# Altium PCB top_INA_v2.PcbDoc (part 3 of 4)
Units mil, origin at the board's own origin, x right, y up, seen from the top; angles counter-clockwise.
Board outline 13413.03 x 6200.01 mil, 2 copper layers (Top Layer, Bottom Layer); 582 components, 532 nets, 1562 pads, 336 vias.
Unrouted connection lines stored in the file: 144.
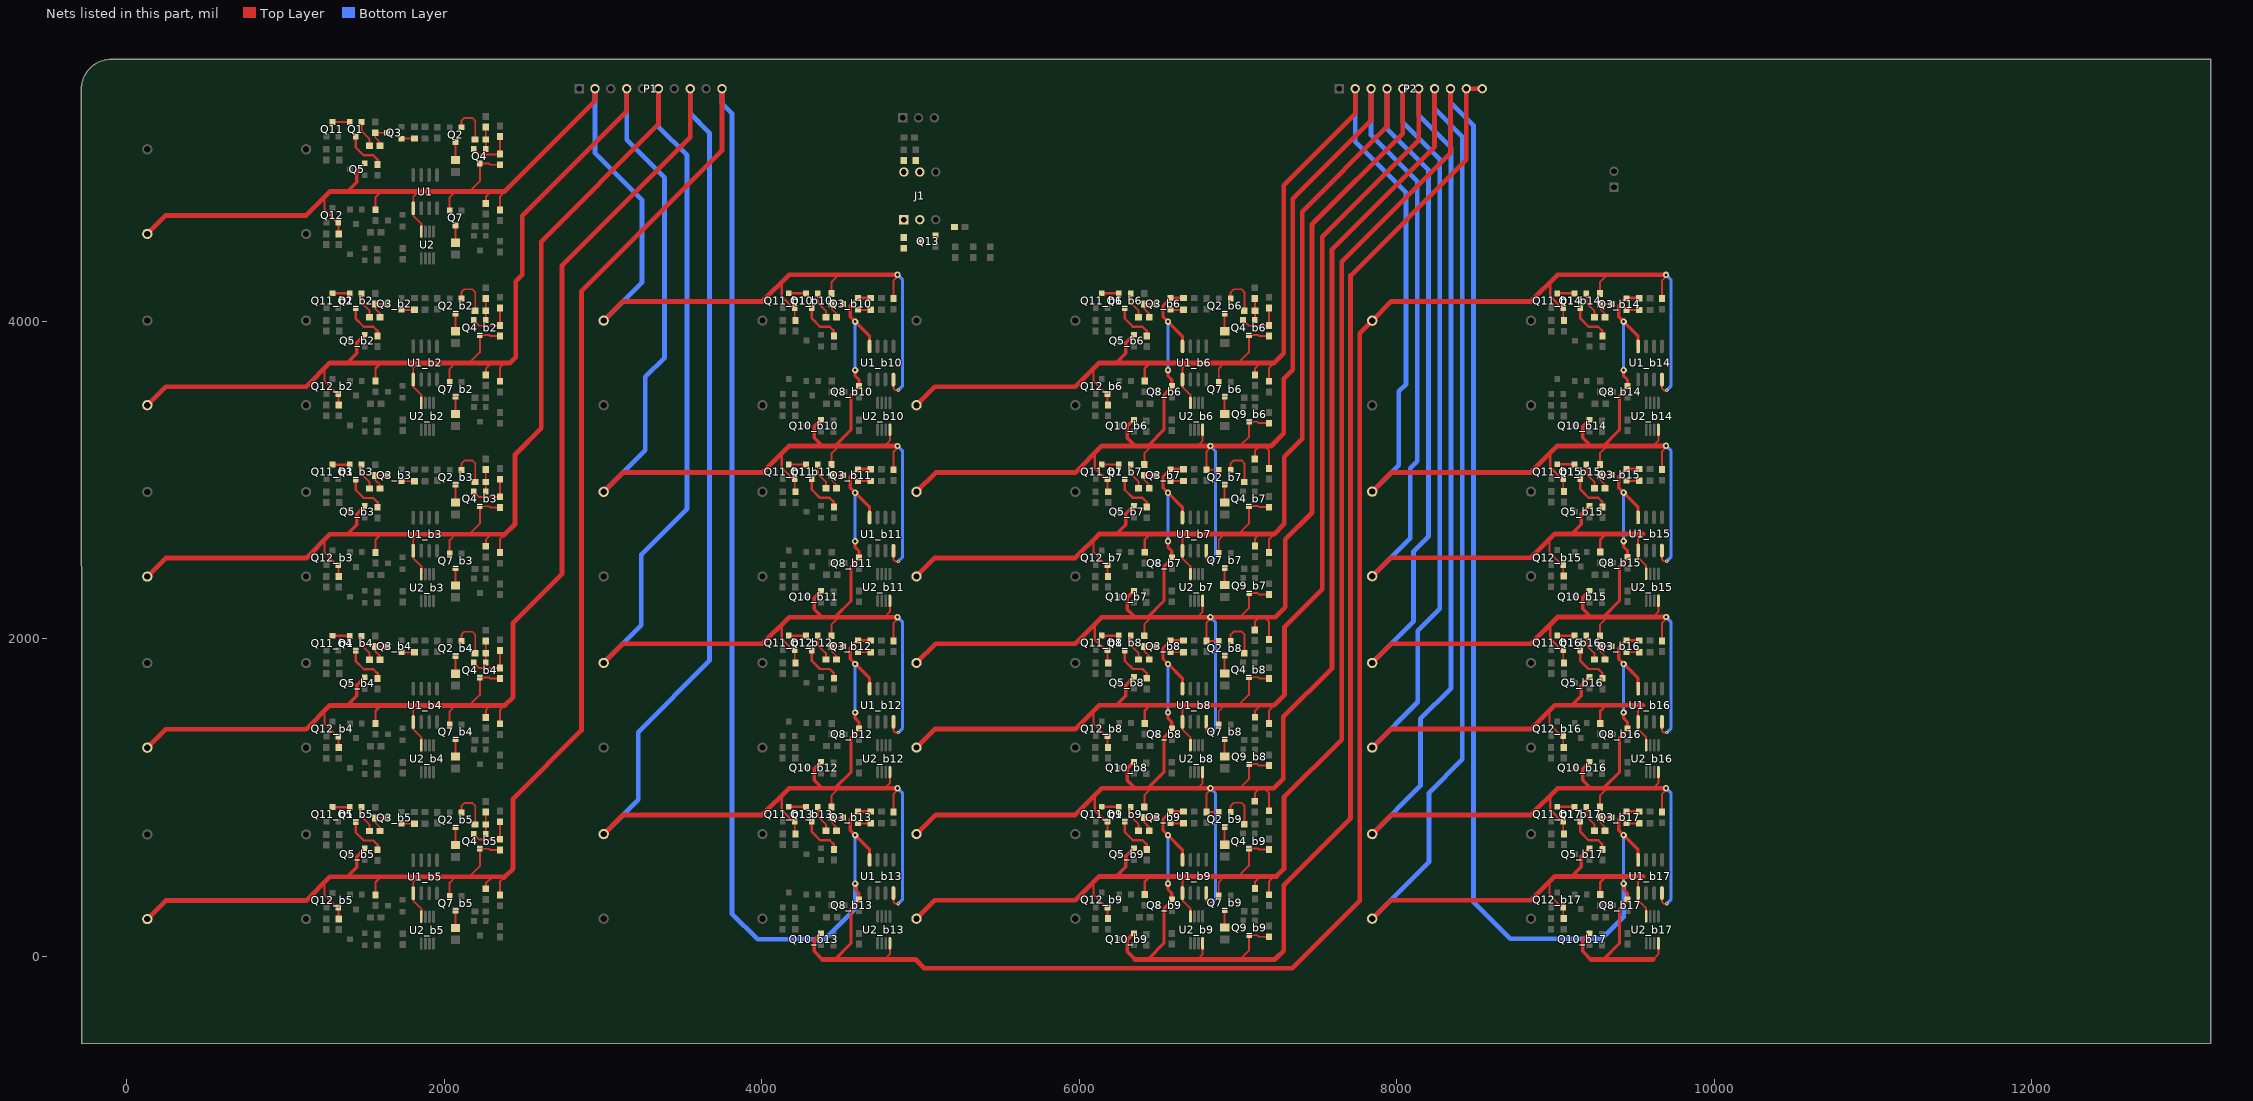
[diagram p3: the nets of this part, all layers, seen from the top]

## Via types
v1: diameter 20, hole 10, Top Layer to Bottom Layer, 283 vias
v2: diameter 40, hole 20, Top Layer to Bottom Layer, 51 vias
v3: diameter 125.98, hole 125.98, Top Layer to Bottom Layer, 2 vias

## Nets (pads, with @x,y where several pads share a name; then routed paths per layer and width w, separated by ;. In a path a pad name is that pad's centre, name@x,y a point inside that pad or via, vN(x,y) a via of type N, cw(c..) or ccw(c..) an arc to the next point about the centre after c; other vN are vias at no path point) (continued)
IN_A6: P2.3 Q2_b7.2 Q3_b6.2 Q5_b15.2 Q8_b6.2 Q9_b6.3 Q10_b6.2 Q11_b7.2 Q12_b15.2 R1_b7.2 R6_b7.2 R7_b7.2 R8_b7.2 R9_b7.2 R12_b6.1 R14_b15.2 R19_b15.2 R24_b6.1 R40_b7.1 R42_b15.1 U1_b6.4 U1_b7.8 U1_b15.5 U2_b6.4 U2_b15.8 | length 15387.3
  Top Layer w12: Q11_b7.2@6178.4,3005 6178.4,2930.32 R40_b7.1@6183,2925.72 ; R6_b7.2@6409.87,3096.46 6409.87,3168.79 6454.54,3213.46 6454.61,3213.54 ; 6742.87,3212.54 6743.8,3213.46 6743.87,3213.54 6777.25,3246.92 U2_b6.4@6777.25,3315.89 ; U1_b7.8@6799.87,2554.05 6799.87,2498.54 6811.87,2486.54 v1(6829.87,2486.54) ; v2(6825.87,3213.54) v2(6825.87,3213.54) 6825.87,3203.54 6800.87,3178.54 R9_b7.2@6800.87,3064 6878.26,3064 Q2_b7.2@6878.46,3063.8 ; 7010.25,3213.46 7010.32,3213.54 7069.87,3273.08 Q9_b6.3@7069.87,3366.28 7122.61,3366.28 7131.81,3357.07 R24_b6.1@7195.87,3357.07 ; R7_b7.2@7106,3132.46 7106,3183.46 7136,3213.46 ; 7166.25,3213.54 7166.32,3213.46 7195.87,3183.92 R8_b7.2@7195.87,3072 R8_b7.2@7195.4,3071.54 ; 8961,2624.04 8961,2544.26 9040.26,2465 Q12_b15.2@9048.4,2465 9048.4,2396.32 R42_b15.1@9051,2393.72 ; 9550.87,2659.54 9519.87,2628.54 U1_b15.5@9519.87,2555.05 9519.87,2508.54 9570.48,2457.92 U2_b15.8@9570.48,2408.18
  Top Layer w15: 6097,3162.79 6097,3076.82 Q11_b7.2@6168.82,3005 ; R19_b15.2@9281.87,2545 9281.87,2624.54 9316.87,2659.54 9320.87,2659.54
  Top Layer w20: Q11_b7.2@6168.82,3005 Q11_b7.2@6178.4,3005 ; 6433.87,3216.07 6532.87,3315.07 6532.87,3532.09 6583.13,3582.35 Q8_b6.2@6583.13,3591.94 6583.13,3630.28 6558.73,3654.67 v2(6558.73,3691.54) ; 6453.87,3212.54 6454.8,3213.46 ; U1_b6.4@6649.87,3841.02 6649.87,3905.8 v2(6558.73,3996.94) 6527.73,4027.94 6527.73,4097.08 Q3_b6.2@6575.99,4145.34 R12_b6.1@6656.87,4145.34
  Top Layer w22: Q10_b6.2@6344.13,3379.94 6300.87,3336.68 6300.87,3264.54 6351.87,3213.54 6351.94,3213.46 ; 9102.87,2659.54 9162.87,2719.54 9162.87,2786.68 Q5_b15.2@9214.13,2837.94
  Top Layer w30: R1_b7.2@4975,2925.26 5096.02,3046.28 5975,3046.28 6142.25,3213.54 6351.87,3213.54 6454.61,3213.54 6743.87,3213.54 v2(6825.87,3213.54) ; 6351.94,3213.46 6454.54,3213.46 6454.8,3213.46 6743.8,3213.46 v2(6825.87,3213.54) 7010.25,3213.46 7136,3213.46 7166.32,3213.46 7209,3213.46 7288,3292.46 7288,3637 7345,3694 7345,4771.16 7838,5264.16 P2.3@7838,5464 ; v2@6835.87,3213.54 7010.32,3213.54 7166.25,3213.54 ; R14_b15.2@7845,2393.26 7961.28,2509.54 8845,2509.54 8995,2659.54 9102.87,2659.54 9316.87,2659.54 ; 9320.87,2659.54 9550.87,2659.54
  Bottom Layer w20: v2(6558.73,3691.54) v2(6558.73,3996.94) ; v2(6825.87,3213.54) 6857.87,3181.54 6857.87,2514.54 v1(6829.87,2486.54)
  Bottom Layer w30: P2.3@7838,5464 7838,5170.89 8129.45,4879.45 8129.45,3118.45 8084,3073 8084,2632.26 R14_b15.2@7845,2393.26
IN_A7: P2.5 Q2_b8.2 Q3_b7.2 Q5_b16.2 Q8_b7.2 Q9_b7.3 Q10_b7.2 Q11_b8.2 Q12_b16.2 R1_b8.2 R6_b8.2 R7_b8.2 R8_b8.2 R9_b8.2 R12_b7.1 R14_b16.2 R19_b16.2 R24_b7.1 R40_b8.1 R42_b16.1 U1_b7.4 U1_b8.8 U1_b16.5 U2_b7.4 U2_b16.8 | length 17675.9
  Top Layer w12: Q11_b8.2@6178.4,1927 6178.4,1852.32 R40_b8.1@6183,1847.72 ; R6_b8.2@6409.87,2018.46 6409.87,2090.79 6454.54,2135.46 6454.61,2135.54 ; 6742.87,2134.54 6743.8,2135.46 6743.87,2135.54 6777.25,2168.92 U2_b7.4@6777.25,2237.89 ; U1_b8.8@6799.87,1476.05 6799.87,1420.54 6811.87,1408.54 v1(6829.87,1408.54) ; v2(6825.87,2135.54) v2(6825.87,2135.54) 6825.87,2125.54 6800.87,2100.54 R9_b8.2@6800.87,1986 6878.26,1986 Q2_b8.2@6878.46,1985.8 ; 7010.25,2135.46 7010.32,2135.54 7069.87,2195.08 Q9_b7.3@7069.87,2288.28 7122.61,2288.28 7131.81,2279.07 R24_b7.1@7195.87,2279.07 ; R7_b8.2@7106,2054.46 7106,2107.46 7134,2135.46 ; 7166.25,2135.54 7166.32,2135.46 7195.87,2105.92 R8_b8.2@7195.87,1994 R8_b8.2@7195.4,1993.54 ; 8961,1545.04 8961,1465.26 9040.26,1386 Q12_b16.2@9048.4,1386 9048.4,1317.32 R42_b16.1@9051,1314.72 ; 9550.87,1580.54 9519.87,1549.54 U1_b16.5@9519.87,1476.05 9519.87,1429.54 9570.48,1378.92 U2_b16.8@9570.48,1329.18
  Top Layer w15: 6097,2084.79 6097,1998.82 Q11_b8.2@6168.82,1927 ; R19_b16.2@9281.87,1466 9281.87,1545.54 9316.87,1580.54 9320.87,1580.54
  Top Layer w20: Q11_b8.2@6168.82,1927 Q11_b8.2@6178.4,1927 ; 6433.87,2138.07 6532.87,2237.07 6532.87,2454.09 6583.13,2504.35 Q8_b7.2@6583.13,2513.94 6583.13,2552.28 6558.73,2576.67 v2(6558.73,2613.54) ; 6453.87,2134.54 6454.8,2135.46 ; U1_b7.4@6649.87,2763.02 6649.87,2827.8 v2(6558.73,2918.94) 6527.73,2949.94 6527.73,3019.08 Q3_b7.2@6575.99,3067.34 R12_b7.1@6656.87,3067.34
  Top Layer w22: Q10_b7.2@6344.13,2301.94 6300.87,2258.68 6300.87,2186.54 6351.87,2135.54 6351.94,2135.46 ; 9102.87,1580.54 9162.87,1640.54 9162.87,1707.68 Q5_b16.2@9214.13,1758.94
  Top Layer w30: R1_b8.2@4975,1847.26 5096.02,1968.28 5975,1968.28 6142.25,2135.54 6351.87,2135.54 6454.61,2135.54 6743.87,2135.54 v2(6825.87,2135.54) ; 6351.94,2135.46 6454.54,2135.46 6454.8,2135.46 6743.8,2135.46 v2(6825.87,2135.54) 7010.25,2135.46 7134,2135.46 7166.32,2135.46 7235,2135.46 7297,2197.46 7297,2625 7466,2794 7466,4609.31 8038,5181.31 P2.5@8038,5464 ; v2@6835.87,2135.54 7010.32,2135.54 7166.25,2135.54 ; R14_b16.2@7845,1314.26 7961.28,1430.54 8845,1430.54 8995,1580.54 9102.87,1580.54 9316.87,1580.54 ; 9320.87,1580.54 9550.87,1580.54
  Bottom Layer w20: v2(6558.73,2613.54) v2(6558.73,2918.94) ; v2(6825.87,2135.54) 6857.87,2103.54 6857.87,1436.54 v1(6829.87,1408.54)
  Bottom Layer w30: R14_b16.2@7845,1314.26 8132,1601.26 8132,2050 8270.87,2188.87 8270.87,5020.87 8038,5253.74 P2.5@8038,5464
IN_A8: P2.7 Q2_b9.2 Q3_b8.2 Q5_b17.2 Q8_b8.2 Q9_b8.3 Q10_b8.2 Q11_b9.2 Q12_b17.2 R1_b9.2 R6_b9.2 R7_b9.2 R8_b9.2 R9_b9.2 R12_b8.1 R14_b17.2 R19_b17.2 R24_b8.1 R25.1 R40_b9.1 R42_b17.1 U1_b8.4 U1_b9.8 U1_b17.5 U2_b8.4 U2_b17.8 | length 19945
  Top Layer w12: Q11_b9.2@6178.4,849 6178.4,774.32 R40_b9.1@6183,769.72 ; R6_b9.2@6409.87,940.46 6409.87,1012.79 6454.54,1057.46 6454.61,1057.54 ; 6742.87,1056.54 6743.8,1057.46 6743.87,1057.54 6777.25,1090.92 U2_b8.4@6777.25,1159.89 ; U1_b9.8@6799.87,398.05 6799.87,342.54 6811.87,330.54 v1(6829.87,330.54) ; v2(6825.87,1057.54) v2(6825.87,1057.54) 6825.87,1047.54 6800.87,1022.54 R9_b9.2@6800.87,908 6878.26,908 Q2_b9.2@6878.46,907.8 ; 7010.25,1057.46 7010.32,1057.54 7069.87,1117.08 Q9_b8.3@7069.87,1210.28 7122.61,1210.28 7131.81,1201.07 R24_b8.1@7195.87,1201.07 ; R7_b9.2@7106,976.46 7106,1026.46 7137,1057.46 ; 7166.25,1057.54 7166.32,1057.46 7195.87,1027.92 R8_b9.2@7195.87,916 R8_b9.2@7195.4,915.54 ; 8961,467.04 8961,387.26 9040.26,308 Q12_b17.2@9048.4,308 9048.4,239.32 R42_b17.1@9051,236.72 ; 9550.87,502.54 9519.87,471.54 U1_b17.5@9519.87,398.05 9519.87,351.54 9570.48,300.92 U2_b17.8@9570.48,251.18
  Top Layer w15: 6097,1006.79 6097,920.82 Q11_b9.2@6168.82,849 ; R19_b17.2@9281.87,388 9281.87,467.54 9316.87,502.54 9320.87,502.54
  Top Layer w20: Q11_b9.2@6168.82,849 Q11_b9.2@6178.4,849 ; 6433.87,1060.07 6532.87,1159.07 6532.87,1376.09 6583.13,1426.35 Q8_b8.2@6583.13,1435.94 6583.13,1474.28 6558.73,1498.67 v2(6558.73,1535.54) ; 6453.87,1056.54 6454.8,1057.46 ; U1_b8.4@6649.87,1685.02 6649.87,1749.8 v2(6558.73,1840.94) 6527.73,1871.94 6527.73,1941.08 Q3_b8.2@6575.99,1989.34 R12_b8.1@6656.87,1989.34
  Top Layer w22: Q10_b8.2@6344.13,1223.94 6300.87,1180.68 6300.87,1108.54 6351.87,1057.54 6351.94,1057.46 ; 9102.87,502.54 9162.87,562.54 9162.87,629.68 Q5_b17.2@9214.13,680.94
  Top Layer w30: R1_b9.2@4975,769.26 5096.02,890.28 5975,890.28 6142.25,1057.54 6351.87,1057.54 6454.61,1057.54 6743.87,1057.54 v2(6825.87,1057.54) ; 6351.94,1057.46 6454.54,1057.46 6454.8,1057.46 6743.8,1057.46 v2(6825.87,1057.54) 7010.25,1057.46 7137,1057.46 7166.32,1057.46 7226,1057.46 7285,1116.46 7285,1508 7592,1815 7592,4452.47 8238,5098.47 P2.7@8238,5464 ; v2@6835.87,1057.54 7010.32,1057.54 7166.25,1057.54 ; R14_b17.2@7845,236.26 7961.28,352.54 8845,352.54 8995,502.54 9102.87,502.54 9316.87,502.54 ; 9320.87,502.54 9550.87,502.54
  Bottom Layer w20: v2(6558.73,1535.54) v2(6558.73,1840.94) ; v2(6825.87,1057.54) 6857.87,1025.54 6857.87,358.54 v1(6829.87,330.54)
  Bottom Layer w30: R14_b17.2@7845,236.26 8203,594.26 8203,1030 8412.29,1239.29 8412.29,5162.29 8238,5336.58 P2.7@8238,5464
IN_A9: P1.2 Q4.3 Q5.2 Q7.2 Q11_b10.2 Q12.2 R1_b10.2 R6_b10.2 R9_b10.2 R13.1 R14.2 R19.2 R20.2 R21.2 R40_b10.1 R42.1 U1.5 U1_b10.8 U2.8 | length 9910.6
  Top Layer w12: 1247,4780.04 1247,4700.26 1326.26,4621 Q12.2@1334.4,4621 1334.4,4552.32 R42.1@1337,4549.72 ; 1836.87,4815.54 1805.87,4784.54 U1.5@1805.87,4711.05 1805.87,4664.54 1856.48,4613.92 U2.8@1856.48,4564.18 ; Q7.2@2034.46,4695.8 2034.46,4779.13 2070.87,4815.54 ; 2158.87,4815.54 2224.87,4881.54 Q4.3@2224.87,4992.28 2283.13,4992.28 2290.33,4985.07 R13.1@2351.87,4985.07 ; R20.2@2263,4740.46 2263,4783.54 2295,4815.54 ; R21.2@2351.87,4700 2351.87,4784.54 2382.87,4815.54 ; Q11_b10.2@4208.4,4083 4208.4,4008.32 R40_b10.1@4213,4003.72 ; R6_b10.2@4439.87,4174.46 4439.87,4246.79 4484.61,4291.54 ; U1_b10.8@4829.87,3632.05 4829.87,3576.54 4841.87,3564.54 v1(4859.87,3564.54) ; R9_b10.2@4830.87,4142 4830.87,4256.54 4855.87,4281.54 v2(4855.87,4291.54)
  Top Layer w15: R19.2@1567.87,4701 1567.87,4780.54 1602.87,4815.54 1606.87,4815.54 ; 4127,4240.79 4127,4154.82 Q11_b10.2@4198.82,4083
  Top Layer w20: Q11_b10.2@4198.82,4083 Q11_b10.2@4208.4,4083
  Top Layer w22: 1388.87,4815.54 1448.87,4875.54 1448.87,4942.68 Q5.2@1500.13,4993.94
  Top Layer w30: R14.2@131,4549.26 247.28,4665.54 1131,4665.54 1281,4815.54 1388.87,4815.54 1602.87,4815.54 ; 1606.87,4815.54 1836.87,4815.54 2070.87,4815.54 2158.87,4815.54 2295,4815.54 2379.54,4815.54 2950,5386 P1.2@2950,5464 ; R1_b10.2@3005,4003.26 3126.02,4124.28 4005,4124.28 4172.25,4291.54 4484.61,4291.54 v2(4855.87,4291.54)
  Bottom Layer w20: v2(4855.87,4291.54) 4887.87,4259.54 4887.87,3592.54 v1(4859.87,3564.54)
  Bottom Layer w30: P1.2@2950,5464 2950,5059.05 3247.03,4762.03 3247.03,4245.28 R1_b10.2@3005,4003.26
IN_A10: P1.4 Q3_b10.2 Q4_b2.3 Q5_b2.2 Q7_b2.2 Q8_b10.2 Q10_b10.2 Q11_b11.2 Q12_b2.2 R1_b11.2 R6_b11.2 R9_b11.2 R12_b10.1 R13_b2.1 R14_b2.2 R19_b2.2 R20_b2.2 R21_b2.2 R40_b11.1 R42_b2.1 U1_b2.5 U1_b10.4 U1_b11.8 U2_b2.8 U2_b10.4 | length 14233.3
  Top Layer w12: 1247,3701.04 1247,3621.26 1326.26,3542 Q12_b2.2@1334.4,3542 1334.4,3473.32 R42_b2.1@1337,3470.72 ; 1836.87,3736.54 1805.87,3705.54 U1_b2.5@1805.87,3632.05 1805.87,3585.54 1856.48,3534.92 U2_b2.8@1856.48,3485.18 ; Q7_b2.2@2034.46,3616.8 2034.46,3700.13 2070.87,3736.54 ; 2158.87,3736.54 2224.87,3802.54 Q4_b2.3@2224.87,3913.28 2283.13,3913.28 2290.33,3906.07 R13_b2.1@2351.87,3906.07 ; R20_b2.2@2263,3661.46 2263,3699.54 2300,3736.54 ; R21_b2.2@2351.87,3621 2351.87,3705.54 2382.87,3736.54 ; Q11_b11.2@4208.4,3005 4208.4,2930.32 R40_b11.1@4213,2925.72 ; R6_b11.2@4439.87,3096.46 4439.87,3168.79 4484.54,3213.46 4484.61,3213.54 ; 4772.87,3212.54 4773.8,3213.46 4773.87,3213.54 4807.25,3246.92 U2_b10.4@4807.25,3315.89 ; U1_b11.8@4829.87,2554.05 4829.87,2498.54 4841.87,2486.54 v1(4859.87,2486.54) ; R9_b11.2@4830.87,3064 4830.87,3178.54 4855.87,3203.54 v2(4855.87,3213.54)
  Top Layer w15: R19_b2.2@1567.87,3622 1567.87,3701.54 1602.87,3736.54 1606.87,3736.54 ; 4127,3162.79 4127,3076.82 Q11_b11.2@4198.82,3005
  Top Layer w20: Q11_b11.2@4198.82,3005 Q11_b11.2@4208.4,3005 ; 4463.87,3216.07 4562.87,3315.07 4562.87,3532.09 4613.13,3582.35 Q8_b10.2@4613.13,3591.94 4613.13,3630.28 4588.73,3654.67 v2(4588.73,3691.54) ; 4483.87,3212.54 4484.8,3213.46 ; U1_b10.4@4679.87,3841.02 4679.87,3905.8 v2(4588.73,3996.94) 4557.73,4027.94 4557.73,4097.08 Q3_b10.2@4605.99,4145.34 R12_b10.1@4686.87,4145.34
  Top Layer w22: 1388.87,3736.54 1448.87,3796.54 1448.87,3863.68 Q5_b2.2@1500.13,3914.94 ; Q10_b10.2@4374.13,3379.94 4330.87,3336.68 4330.87,3264.54 4381.87,3213.54 4381.94,3213.46
  Top Layer w30: R14_b2.2@131,3470.26 247.28,3586.54 1131,3586.54 1281,3736.54 1388.87,3736.54 1602.87,3736.54 ; 1606.87,3736.54 1836.87,3736.54 2070.87,3736.54 2158.87,3736.54 2300,3736.54 2382.87,3736.54 2416.4,3736.54 2451,3771.13 2451,4250 2492,4291 2492,4664.16 3150,5322.16 P1.4@3150,5464 ; R1_b11.2@3005,2925.26 3126.02,3046.28 4005,3046.28 4172.25,3213.54 4381.87,3213.54 4484.61,3213.54 4773.87,3213.54 v2(4855.87,3213.54) ; 4381.94,3213.46 4484.54,3213.46 4484.8,3213.46 4773.8,3213.46
  Bottom Layer w20: v2(4588.73,3691.54) v2(4588.73,3996.94) ; v2(4855.87,3213.54) 4887.87,3181.54 4887.87,2514.54 v1(4859.87,2486.54)
  Bottom Layer w30: R1_b11.2@3005,2925.26 3267,3187.26 3267,3648.62 3388.45,3770.07 3388.45,4903.45 3150,5141.89 P1.4@3150,5464
IN_A11: P1.6 Q3_b11.2 Q4_b3.3 Q5_b3.2 Q7_b3.2 Q8_b11.2 Q10_b11.2 Q11_b12.2 Q12_b3.2 R1_b12.2 R6_b12.2 R9_b12.2 R12_b11.1 R13_b3.1 R14_b3.2 R19_b3.2 R20_b3.2 R21_b3.2 R40_b12.1 R42_b3.1 U1_b3.5 U1_b11.4 U1_b12.8 U2_b3.8 U2_b11.4 | length 16486.2
  Top Layer w12: 1247,2622.04 1247,2542.26 1326.26,2463 Q12_b3.2@1334.4,2463 1334.4,2394.32 R42_b3.1@1337,2391.72 ; 1836.87,2657.54 1805.87,2626.54 U1_b3.5@1805.87,2553.05 1805.87,2506.54 1856.48,2455.92 U2_b3.8@1856.48,2406.18 ; Q7_b3.2@2034.46,2537.8 2034.46,2621.13 2070.87,2657.54 ; 2158.87,2657.54 2224.87,2723.54 Q4_b3.3@2224.87,2834.28 2283.13,2834.28 2290.33,2827.07 R13_b3.1@2351.87,2827.07 ; R20_b3.2@2263,2582.46 2263,2624.54 2296,2657.54 ; R21_b3.2@2351.87,2542 2351.87,2626.54 2376.17,2650.83 ; Q11_b12.2@4208.4,1927 4208.4,1852.32 R40_b12.1@4213,1847.72 ; R6_b12.2@4439.87,2018.46 4439.87,2090.79 4484.54,2135.46 4484.61,2135.54 ; 4772.87,2134.54 4773.8,2135.46 4773.87,2135.54 4807.25,2168.92 U2_b11.4@4807.25,2237.89 ; U1_b12.8@4829.87,1476.05 4829.87,1420.54 4841.87,1408.54 v1(4859.87,1408.54) ; R9_b12.2@4830.87,1986 4830.87,2100.54 4855.87,2125.54 v2(4855.87,2135.54)
  Top Layer w15: R19_b3.2@1567.87,2543 1567.87,2622.54 1602.87,2657.54 1606.87,2657.54 ; 4127,2084.79 4127,1998.82 Q11_b12.2@4198.82,1927
  Top Layer w20: Q11_b12.2@4198.82,1927 Q11_b12.2@4208.4,1927 ; 4463.87,2138.07 4562.87,2237.07 4562.87,2454.09 4613.13,2504.35 Q8_b11.2@4613.13,2513.94 4613.13,2552.28 4588.73,2576.67 v2(4588.73,2613.54) ; 4483.87,2134.54 4484.8,2135.46 ; U1_b11.4@4679.87,2763.02 4679.87,2827.8 v2(4588.73,2918.94) 4557.73,2949.94 4557.73,3019.08 Q3_b11.2@4605.99,3067.34 R12_b11.1@4686.87,3067.34
  Top Layer w22: 1388.87,2657.54 1448.87,2717.54 1448.87,2784.68 Q5_b3.2@1500.13,2835.94 ; Q10_b11.2@4374.13,2301.94 4330.87,2258.68 4330.87,2186.54 4381.87,2135.54 4381.94,2135.46
  Top Layer w30: R14_b3.2@131,2391.26 247.28,2507.54 1131,2507.54 1281,2657.54 1388.87,2657.54 1602.87,2657.54 ; 1606.87,2657.54 1836.87,2657.54 2070.87,2657.54 2158.87,2657.54 2296,2657.54 2382.87,2657.54 ; 2376.17,2650.83 2382.87,2657.54 ; R1_b12.2@3005,1847.26 3126.02,1968.28 4005,1968.28 4172.25,2135.54 4381.87,2135.54 4484.61,2135.54 4773.87,2135.54 v2(4855.87,2135.54) ; P1.6@3350,5464 3350,5239.31 2612,4501.31 2612,3325 2446.5,3159.5 2446.5,2721.17 2382.87,2657.54 ; 4381.94,2135.46 4484.54,2135.46 4484.8,2135.46 4773.8,2135.46
  Bottom Layer w20: v2(4588.73,2613.54) v2(4588.73,2918.94) ; v2(4855.87,2135.54) 4887.87,2103.54 4887.87,1436.54 v1(4859.87,1408.54)
  Bottom Layer w30: R1_b12.2@3005,1847.26 3242,2084.26 3242,2530 3529.87,2817.87 3529.87,5044.87 3350,5224.74 P1.6@3350,5464
IN_A12: P1.8 Q3_b12.2 Q4_b4.3 Q5_b4.2 Q7_b4.2 Q8_b12.2 Q10_b12.2 Q11_b13.2 Q12_b4.2 R1_b13.2 R6_b13.2 R9_b13.2 R12_b12.1 R13_b4.1 R14_b4.2 R19_b4.2 R20_b4.2 R21_b4.2 R40_b13.1 R42_b4.1 U1_b4.5 U1_b12.4 U1_b13.8 U2_b4.8 U2_b12.4 | length 18757.7
  Top Layer w12: 1247,1544.04 1247,1464.26 1326.26,1385 Q12_b4.2@1334.4,1385 1334.4,1316.32 R42_b4.1@1337,1313.72 ; 1836.87,1579.54 1805.87,1548.54 U1_b4.5@1805.87,1475.05 1805.87,1428.54 1856.48,1377.92 U2_b4.8@1856.48,1328.18 ; Q7_b4.2@2034.46,1459.8 2034.46,1543.13 2070.87,1579.54 ; 2158.87,1579.54 2224.87,1645.54 Q4_b4.3@2224.87,1756.28 2283.13,1756.28 2290.33,1749.07 R13_b4.1@2351.87,1749.07 ; R20_b4.2@2263,1504.46 2263,1550.54 2292,1579.54 ; R21_b4.2@2351.87,1464 2351.87,1548.54 2382.87,1579.54 ; Q11_b13.2@4208.4,849 4208.4,774.32 R40_b13.1@4213,769.72 ; R6_b13.2@4439.87,940.46 4439.87,1012.79 4484.54,1057.46 4484.61,1057.54 ; 4772.87,1056.54 4773.8,1057.46 4773.87,1057.54 4807.25,1090.92 U2_b12.4@4807.25,1159.89 ; U1_b13.8@4829.87,398.05 4829.87,342.54 4841.87,330.54 v1(4859.87,330.54) ; R9_b13.2@4830.87,908 4830.87,1022.54 4855.87,1047.54 v2(4855.87,1057.54)
  Top Layer w15: R19_b4.2@1567.87,1465 1567.87,1544.54 1602.87,1579.54 1606.87,1579.54 ; 4127,1006.79 4127,920.82 Q11_b13.2@4198.82,849
  Top Layer w20: Q11_b13.2@4198.82,849 Q11_b13.2@4208.4,849 ; 4463.87,1060.07 4562.87,1159.07 4562.87,1376.09 4613.13,1426.35 Q8_b12.2@4613.13,1435.94 4613.13,1474.28 4588.73,1498.67 v2(4588.73,1535.54) ; 4483.87,1056.54 4484.8,1057.46 ; U1_b12.4@4679.87,1685.02 4679.87,1749.8 v2(4588.73,1840.94) 4557.73,1871.94 4557.73,1941.08 Q3_b12.2@4605.99,1989.34 R12_b12.1@4686.87,1989.34
  Top Layer w22: 1388.87,1579.54 1448.87,1639.54 1448.87,1706.68 Q5_b4.2@1500.13,1757.94 ; Q10_b12.2@4374.13,1223.94 4330.87,1180.68 4330.87,1108.54 4381.87,1057.54 4381.94,1057.46
  Top Layer w30: R14_b4.2@131,1313.26 247.28,1429.54 1131,1429.54 1281,1579.54 1388.87,1579.54 1602.87,1579.54 ; 1606.87,1579.54 1836.87,1579.54 2070.87,1579.54 2158.87,1579.54 2292,1579.54 2382.87,1579.54 2434,1630.67 2434,2099 2742,2407 2742,4348.47 3550,5156.47 P1.8@3550,5464 ; R1_b13.2@3005,769.26 3126.02,890.28 4005,890.28 4172.25,1057.54 4381.87,1057.54 4484.61,1057.54 4773.87,1057.54 v2(4855.87,1057.54) ; 4381.94,1057.46 4484.54,1057.46 4484.8,1057.46 4773.8,1057.46
  Bottom Layer w20: v2(4588.73,1535.54) v2(4588.73,1840.94) ; v2(4855.87,1057.54) 4887.87,1025.54 4887.87,358.54 v1(4859.87,330.54)
  Bottom Layer w30: R1_b13.2@3005,769.26 3222,986.26 3222,1411 3671.29,1860.29 3671.29,5186.29 3550,5307.58 P1.8@3550,5464
IN_A13: P1.10 Q3_b13.2 Q4_b5.3 Q5_b5.2 Q7_b5.2 Q8_b13.2 Q10_b13.2 Q11_b14.2 Q12_b5.2 R1_b14.2 R6_b14.2 R9_b14.2 R12_b13.1 R13_b5.1 R14_b5.2 R19_b5.2 R20_b5.2 R21_b5.2 R40_b14.1 R42_b5.1 U1_b5.5 U1_b13.4 U1_b14.8 U2_b5.8 U2_b13.4 | length 28082.5
  Top Layer w12: 1247,465.04 1247,385.26 1326.26,306 Q12_b5.2@1334.4,306 1334.4,237.32 R42_b5.1@1337,234.72 ; 1836.87,500.54 1805.87,469.54 U1_b5.5@1805.87,396.05 1805.87,349.54 1856.48,298.92 U2_b5.8@1856.48,249.18 ; Q7_b5.2@2034.46,380.8 2034.46,464.13 2070.87,500.54 ; 2158.87,500.54 2224.87,566.54 Q4_b5.3@2224.87,677.28 2283.13,677.28 2290.33,670.07 R13_b5.1@2351.87,670.07 ; R20_b5.2@2263,425.46 2263,458.54 2305,500.54 ; R21_b5.2@2351.87,385 2351.87,469.54 2377.67,495.33 ; 4773.8,-20.54 4807.25,12.92 U2_b13.4@4807.25,81.89 ; Q11_b14.2@9048.4,4082.74 9048.4,4008.06 R40_b14.1@9053,4003.46 ; R6_b14.2@9279.87,4174.2 9279.87,4246.53 9324.61,4291.28 ; U1_b14.8@9669.87,3631.79 9669.87,3576.28 9681.87,3564.28 v1(9699.87,3564.28) ; R9_b14.2@9670.87,4141.74 9670.87,4256.28 9695.87,4281.28 v2(9695.87,4291.28)
  Top Layer w15: R19_b5.2@1567.87,386 1567.87,465.54 1602.87,500.54 1606.87,500.54 ; 8967,4240.53 8967,4154.56 Q11_b14.2@9038.82,4082.74
  Top Layer w20: 4463.87,-17.93 4562.87,81.07 4562.87,298.09 4613.13,348.35 Q8_b13.2@4613.13,357.94 4613.13,396.28 4588.73,420.67 v2(4588.73,457.54) ; 4483.87,-21.46 4484.8,-20.54 ; U1_b13.4@4679.87,607.02 4679.87,671.8 v2(4588.73,762.94) 4557.73,793.94 4557.73,863.08 Q3_b13.2@4605.99,911.34 R12_b13.1@4686.87,911.34 ; Q11_b14.2@9038.82,4082.74 Q11_b14.2@9048.4,4082.74
  Top Layer w22: 1388.87,500.54 1448.87,560.54 1448.87,627.68 Q5_b5.2@1500.13,678.94 ; Q10_b13.2@4374.13,145.94 4330.87,102.68 4330.87,30.54 4381.94,-20.54
  Top Layer w30: R14_b5.2@131,234.26 247.28,350.54 1131,350.54 1281,500.54 1388.87,500.54 1602.87,500.54 ; 1606.87,500.54 1836.87,500.54 2070.87,500.54 2158.87,500.54 2305,500.54 2382.87,500.54 ; 2377.67,495.33 2382.87,500.54 ; P1.10@3750,5464 3750,5073.63 2865,4188.63 2865,1422 2434,991 2434,551.67 2382.87,500.54 ; 4381.94,-20.54 4484.8,-20.54 4773.8,-20.54 4970.54,-20.54 5025,-75 7343,-75 7766,348 7766,3924 R1_b14.2@7845,4003 7966.02,4124.02 8845,4124.02 9012.25,4291.28 9324.61,4291.28 v2(9695.87,4291.28)
  Bottom Layer w20: v2(4588.73,457.54) v2(4588.73,762.94) ; v2(9695.87,4291.28) 9727.87,4259.28 9727.87,3592.28 v1(9699.87,3564.28)
  Bottom Layer w30: P1.10@3750,5464 3750,5371 3813,5308 3813,269 3975,107 4397,107 4588.73,298.73 v2(4588.73,457.54)
IN_A14: P2.2 Q3_b14.2 Q4_b6.3 Q5_b6.2 Q7_b6.2 Q8_b14.2 Q10_b14.2 Q11_b15.2 Q12_b6.2 R1_b15.2 R6_b15.2 R9_b15.2 R12_b14.1 R13_b6.1 R14_b6.2 R19_b6.2 R20_b6.2 R21_b6.2 R40_b15.1 R42_b6.1 U1_b6.5 U1_b14.4 U1_b15.8 U2_b6.8 U2_b14.4 | length 14055.2
  Top Layer w12: 6091,3701.04 6091,3621.26 6170.26,3542 Q12_b6.2@6178.4,3542 6178.4,3473.32 R42_b6.1@6181,3470.72 ; 6680.87,3736.54 6649.87,3705.54 U1_b6.5@6649.87,3632.05 6649.87,3585.54 6700.48,3534.92 U2_b6.8@6700.48,3485.18 ; Q7_b6.2@6878.46,3616.8 6878.46,3700.13 6914.87,3736.54 ; 7002.87,3736.54 7068.87,3802.54 Q4_b6.3@7068.87,3913.28 7127.13,3913.28 7134.33,3906.07 R13_b6.1@7195.87,3906.07 ; R20_b6.2@7107,3661.46 7107,3702.54 7140,3735.54 ; R21_b6.2@7195.87,3621 7195.87,3705.54 7226.87,3736.54 ; Q11_b15.2@9048.4,3006 9048.4,2931.32 R40_b15.1@9053,2926.72 ; R6_b15.2@9279.87,3097.46 9279.87,3169.79 9324.28,3214.2 9324.35,3214.28 9324.54,3214.46 ; 9368.54,3214.2 9368.61,3214.28 ; 9613.87,3213.28 9614.8,3214.2 9614.87,3214.28 9647.25,3246.66 U2_b14.4@9647.25,3315.63 ; 9657.8,3214.2 9657.87,3214.28 ; U1_b15.8@9669.87,2555.05 9669.87,2499.54 9681.87,2487.54 v1(9699.87,2487.54) ; R9_b15.2@9670.87,3065 9670.87,3179.54 v2@9695.87,3204.54